# Altium PCB ble_lock_2020-10-10.PcbDoc (part 1 of 5)
Units mm, origin at the board's own origin, x right, y up, seen from the top; angles counter-clockwise.
Board outline 58 x 27 mm, 2 copper layers (Top Layer, Bottom Layer); 590 components, 46 nets, 1844 pads, 2190 vias.
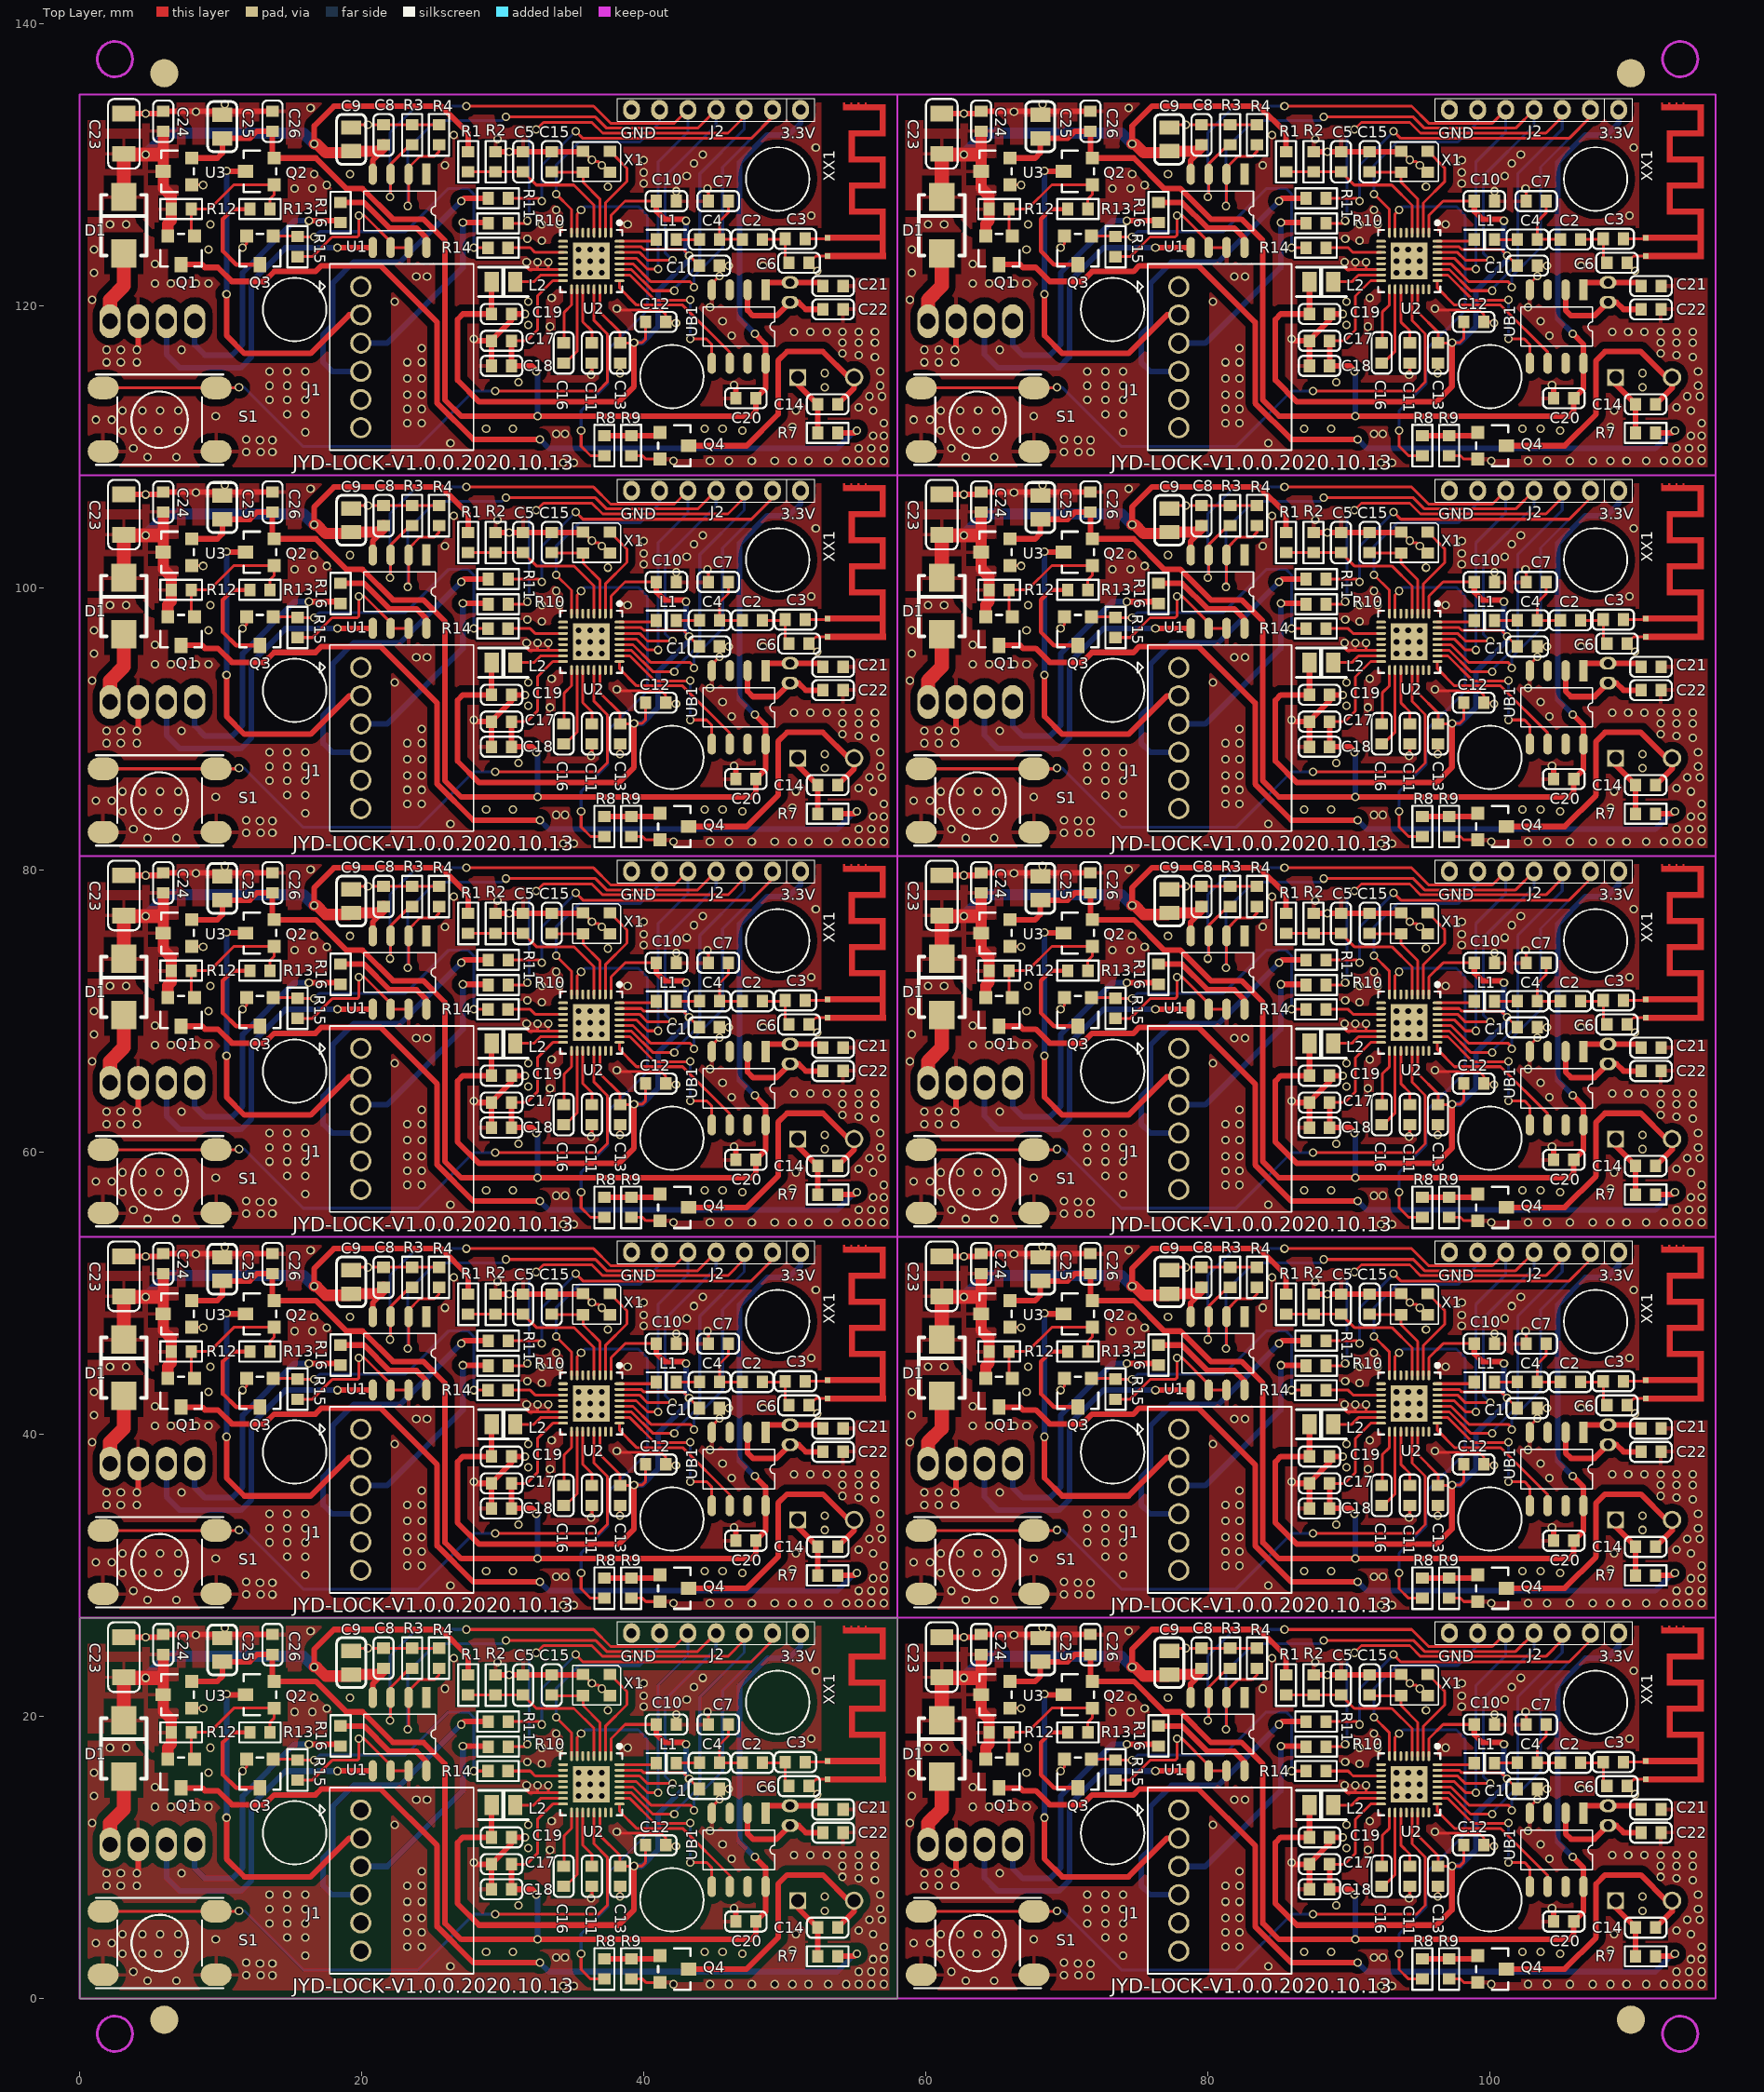
[diagram p0: Top Layer view]
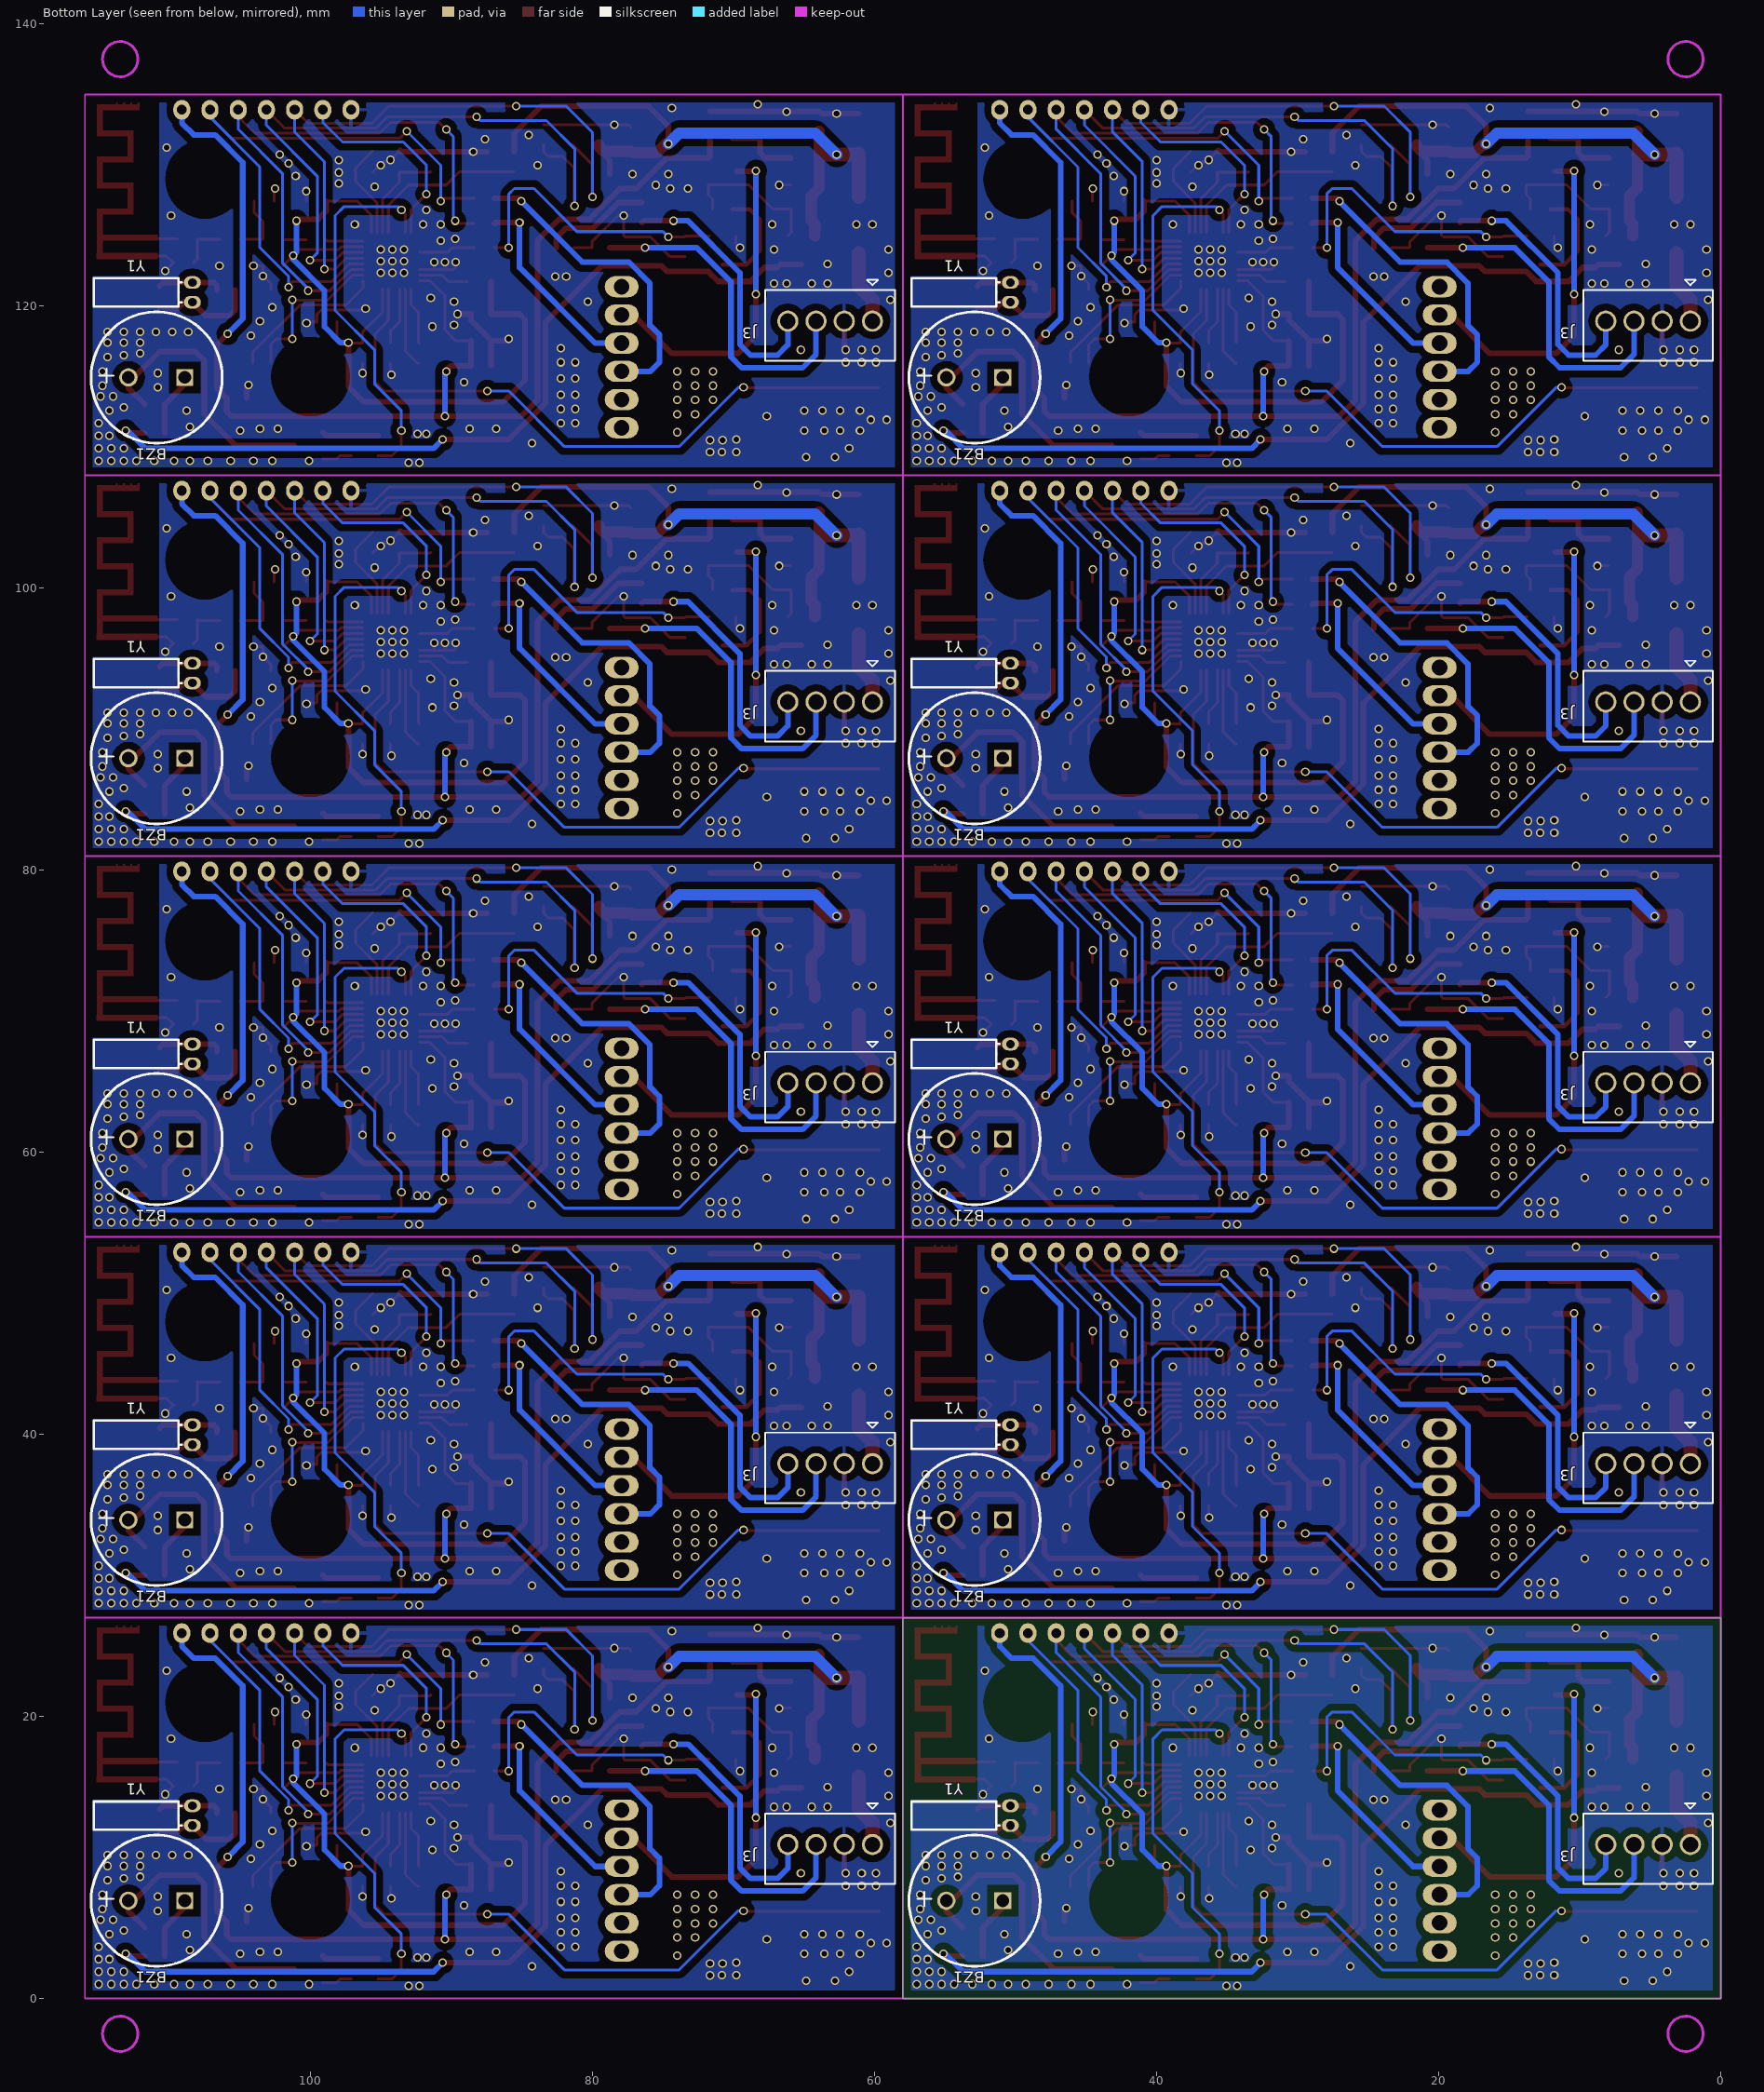
[diagram p1: Bottom Layer view, seen from below]

## Layer stack, top to bottom
Top Layer: signal copper 0.0356
Dielectric: dielectric 0.32, FR-4, Dk 4.8
Bottom Layer: signal copper 0.0356

## Board outline
0,0 58,0 58,27 0,27 0,0

## Design rules (kind name [scope] priority, off if disabled: settings)
Clearance [All] p1 off: gap=0.5
Clearance Clearance_1 [All] p2: gap=0.152
ComponentClearance [All] p1: gap=0 collisioncheckmode=3 verticalgap=0 showdistances=FALSE
HoleToHoleClearance [All] p1: gap=0 allowstackedmicrovias=TRUE
MinimumSolderMaskSliver [All] p1: minsoldermaskwidth=0
PolygonConnect PolygonConnect_1 [IsVia] p1: connectstyle=Direct reliefconductorwidth=0.254 reliefentries=4 polygonreliefangle="90 Angle"
PolygonConnect [All] p2: connectstyle=Relief reliefconductorwidth=0.254 reliefentries=4 polygonreliefangle="90 Angle"
RoutingVias [All] p1: holewidth=0.41 width=0.8 viastyle="Through Hole" minholewidth=0.3 minwidth=0.6 maxholewidth=0.711 maxwidth=1.27
ShortCircuit [All] p1: allowed=TRUE
SilkToSilkClearance [All] p1: silktosilkclearance=0
SilkscreenOverComponentPads [IsPad] p1: minsilkscreentomaskgap=0
SolderMaskExpansion [All] p1: expansion=0.102
Width [All] p1: maxlimit=2.032 minlimit=0.152 preferedwidth=0.254
22 further rules are at their usual default settings.

## Components (designator, comment, footprint, x,y, rotation, side; value= is the part's Value field where it differs from the comment)
BZ1 "BUZZER" BUZZER_D93_L40 52.92,6.934 r0 bottom
BZ1 "BUZZER" BUZZER_D93_L40 52.92,33.934 r0 bottom
BZ1 "BUZZER" BUZZER_D93_L40 52.92,60.934 r0 bottom
BZ1 "BUZZER" BUZZER_D93_L40 52.92,87.934 r0 bottom
BZ1 "BUZZER" BUZZER_D93_L40 52.92,114.934 r0 bottom
BZ1 "BUZZER" BUZZER_D93_L40 110.92,114.934 r0 bottom
BZ1 "BUZZER" BUZZER_D93_L40 110.92,87.934 r0 bottom
BZ1 "BUZZER" BUZZER_D93_L40 110.92,60.934 r0 bottom
BZ1 "BUZZER" BUZZER_D93_L40 110.92,33.934 r0 bottom
BZ1 "BUZZER" BUZZER_D93_L40 110.92,6.934 r0 bottom
C1 "1uF/6.3V" 0603C 44.655,14.859 r180 top
C1 "1uF/6.3V" 0603C 44.655,41.859 r180 top
C1 "1uF/6.3V" 0603C 44.655,68.859 r180 top
C1 "1uF/6.3V" 0603C 44.655,95.859 r180 top
C1 "1uF/6.3V" 0603C 44.655,122.859 r180 top
C1 "1uF/6.3V" 0603C 102.655,122.859 r180 top
C1 "1uF/6.3V" 0603C 102.655,95.859 r180 top
C1 "1uF/6.3V" 0603C 102.655,68.859 r180 top
C1 "1uF/6.3V" 0603C 102.655,41.859 r180 top
C1 "1uF/6.3V" 0603C 102.655,14.859 r180 top
C2 "0R" 0603C 47.713,16.713 r180 top
C2 "0R" 0603C 47.713,43.713 r180 top
C2 "0R" 0603C 47.713,70.713 r180 top
C2 "0R" 0603C 47.713,97.713 r180 top
C2 "0R" 0603C 47.713,124.713 r180 top
C2 "0R" 0603C 105.713,124.713 r180 top
C2 "0R" 0603C 105.713,97.713 r180 top
C2 "0R" 0603C 105.713,70.713 r180 top
C2 "0R" 0603C 105.713,43.713 r180 top
C2 "0R" 0603C 105.713,16.713 r180 top
C3 "0R" 0603C 50.751,16.764 r180 top
C3 "0R" 0603C 50.751,43.764 r180 top
C3 "0R" 0603C 50.751,70.764 r180 top
C3 "0R" 0603C 50.751,97.764 r180 top
C3 "0R" 0603C 50.751,124.764 r180 top
C3 "0R" 0603C 108.751,124.764 r180 top
C3 "0R" 0603C 108.751,97.764 r180 top
C3 "0R" 0603C 108.751,70.764 r180 top
C3 "0R" 0603C 108.751,43.764 r180 top
C3 "0R" 0603C 108.751,16.764 r180 top
C4 "1.5pF" 0603C 44.665,16.713 r0 top
C4 "1.5pF" 0603C 44.665,43.713 r0 top
C4 "1.5pF" 0603C 44.665,70.713 r0 top
C4 "1.5pF" 0603C 44.665,97.713 r0 top
C4 "1.5pF" 0603C 44.665,124.713 r0 top
C4 "1.5pF" 0603C 102.665,124.713 r0 top
C4 "1.5pF" 0603C 102.665,97.713 r0 top
C4 "1.5pF" 0603C 102.665,70.713 r0 top
C4 "1.5pF" 0603C 102.665,43.713 r0 top
C4 "1.5pF" 0603C 102.665,16.713 r0 top
C5 "1nF" 0603C 31.447,22.225 r270 top
C5 "1nF" 0603C 31.447,49.225 r270 top
C5 "1nF" 0603C 31.447,76.225 r270 top
C5 "1nF" 0603C 31.447,103.225 r270 top
C5 "1nF" 0603C 31.447,130.225 r270 top
C5 "1nF" 0603C 89.447,130.225 r270 top
C5 "1nF" 0603C 89.447,103.225 r270 top
C5 "1nF" 0603C 89.447,76.225 r270 top
C5 "1nF" 0603C 89.447,49.225 r270 top
C5 "1nF" 0603C 89.447,22.225 r270 top
C6 "NC" 0603C 51.015,15.062 r0 top
C6 "NC" 0603C 51.015,42.062 r0 top
C6 "NC" 0603C 51.015,69.062 r0 top
C6 "NC" 0603C 51.015,96.062 r0 top
C6 "NC" 0603C 51.015,123.062 r0 top
C6 "NC" 0603C 109.015,123.062 r0 top
C6 "NC" 0603C 109.015,96.062 r0 top
C6 "NC" 0603C 109.015,69.062 r0 top
C6 "NC" 0603C 109.015,42.062 r0 top
C6 "NC" 0603C 109.015,15.062 r0 top
C7 "1pF" 0603C 45.29,19.431 r0 top
C7 "1pF" 0603C 45.29,46.431 r0 top
C7 "1pF" 0603C 45.29,73.431 r0 top
C7 "1pF" 0603C 45.29,100.431 r0 top
C7 "1pF" 0603C 45.29,127.431 r0 top
C7 "1pF" 0603C 103.29,127.431 r0 top
C7 "1pF" 0603C 103.29,100.431 r0 top
C7 "1pF" 0603C 103.29,73.431 r0 top
C7 "1pF" 0603C 103.29,46.431 r0 top
C7 "1pF" 0603C 103.29,19.431 r0 top
C8 "0.1uF" 0603C 21.551,24.13 r90 top
C8 "0.1uF" 0603C 21.551,51.13 r90 top
C8 "0.1uF" 0603C 21.551,78.13 r90 top
C8 "0.1uF" 0603C 21.551,105.13 r90 top
C8 "0.1uF" 0603C 21.551,132.13 r90 top
C8 "0.1uF" 0603C 79.551,132.13 r90 top
C8 "0.1uF" 0603C 79.551,105.13 r90 top
C8 "0.1uF" 0603C 79.551,78.13 r90 top
C8 "0.1uF" 0603C 79.551,51.13 r90 top
C8 "0.1uF" 0603C 79.551,24.13 r90 top
C9 "22uF" 0805C 19.265,23.809 r90 top
C9 "22uF" 0805C 19.265,50.809 r90 top
C9 "22uF" 0805C 19.265,77.809 r90 top
C9 "22uF" 0805C 19.265,104.809 r90 top
C9 "22uF" 0805C 19.265,131.809 r90 top
C9 "22uF" 0805C 77.265,131.809 r90 top
C9 "22uF" 0805C 77.265,104.809 r90 top
C9 "22uF" 0805C 77.265,77.809 r90 top
C9 "22uF" 0805C 77.265,50.809 r90 top
C9 "22uF" 0805C 77.265,23.809 r90 top
C10 "0.1uF" 0603C 41.607,19.431 r180 top
C10 "0.1uF" 0603C 41.607,46.431 r180 top
C10 "0.1uF" 0603C 41.607,73.431 r180 top
C10 "0.1uF" 0603C 41.607,100.431 r180 top
C10 "0.1uF" 0603C 41.607,127.431 r180 top
C10 "0.1uF" 0603C 99.607,127.431 r180 top
C10 "0.1uF" 0603C 99.607,100.431 r180 top
C10 "0.1uF" 0603C 99.607,73.431 r180 top
C10 "0.1uF" 0603C 99.607,46.431 r180 top
C10 "0.1uF" 0603C 99.607,19.431 r180 top
C11 "0.1uF" 0603C 36.325,8.671 r270 top
C11 "0.1uF" 0603C 36.325,35.671 r270 top
C11 "0.1uF" 0603C 36.325,62.671 r270 top
C11 "0.1uF" 0603C 36.325,89.671 r270 top
C11 "0.1uF" 0603C 36.325,116.671 r270 top
C11 "0.1uF" 0603C 94.325,116.671 r270 top
C11 "0.1uF" 0603C 94.325,89.671 r270 top
C11 "0.1uF" 0603C 94.325,62.671 r270 top
C11 "0.1uF" 0603C 94.325,35.671 r270 top
C11 "0.1uF" 0603C 94.325,8.671 r270 top
C12 "1uF" 0603C 40.855,10.871 r180 top
C12 "1uF" 0603C 40.855,37.871 r180 top
C12 "1uF" 0603C 40.855,64.871 r180 top
C12 "1uF" 0603C 40.855,91.871 r180 top
C12 "1uF" 0603C 40.855,118.871 r180 top
C12 "1uF" 0603C 98.855,118.871 r180 top
C12 "1uF" 0603C 98.855,91.871 r180 top
C12 "1uF" 0603C 98.855,64.871 r180 top
C12 "1uF" 0603C 98.855,37.871 r180 top
C12 "1uF" 0603C 98.855,10.871 r180 top
C13 "0.1uF" 0603C 38.324,8.671 r90 top
C13 "0.1uF" 0603C 38.324,35.671 r90 top
C13 "0.1uF" 0603C 38.324,62.671 r90 top
C13 "0.1uF" 0603C 38.324,89.671 r90 top
C13 "0.1uF" 0603C 38.324,116.671 r90 top
C13 "0.1uF" 0603C 96.324,116.671 r90 top
C13 "0.1uF" 0603C 96.324,89.671 r90 top
C13 "0.1uF" 0603C 96.324,62.671 r90 top
C13 "0.1uF" 0603C 96.324,35.671 r90 top
C13 "0.1uF" 0603C 96.324,8.671 r90 top
C14 "10uF/10V" 0603C 53.047,5.029 r180 top
C14 "10uF/10V" 0603C 53.047,32.029 r180 top
C14 "10uF/10V" 0603C 53.047,59.029 r180 top
C14 "10uF/10V" 0603C 53.047,86.029 r180 top
C14 "10uF/10V" 0603C 53.047,113.029 r180 top
C14 "10uF/10V" 0603C 111.047,113.029 r180 top
C14 "10uF/10V" 0603C 111.047,86.029 r180 top
C14 "10uF/10V" 0603C 111.047,59.029 r180 top
C14 "10uF/10V" 0603C 111.047,32.029 r180 top
C14 "10uF/10V" 0603C 111.047,5.029 r180 top
C15 "2.7pF" 0603C 33.479,22.225 r270 top
C15 "2.7pF" 0603C 33.479,49.225 r270 top
C15 "2.7pF" 0603C 33.479,76.225 r270 top
C15 "2.7pF" 0603C 33.479,103.225 r270 top
C15 "2.7pF" 0603C 33.479,130.225 r270 top
C15 "2.7pF" 0603C 91.479,130.225 r270 top
C15 "2.7pF" 0603C 91.479,103.225 r270 top
C15 "2.7pF" 0603C 91.479,76.225 r270 top
C15 "2.7pF" 0603C 91.479,49.225 r270 top
C15 "2.7pF" 0603C 91.479,22.225 r270 top
C16 "0.1uF" 0603C 34.327,8.671 r270 top
C16 "0.1uF" 0603C 34.327,35.671 r270 top
C16 "0.1uF" 0603C 34.327,62.671 r270 top
C16 "0.1uF" 0603C 34.327,89.671 r270 top
C16 "0.1uF" 0603C 34.327,116.671 r270 top
C16 "0.1uF" 0603C 92.327,116.671 r270 top
C16 "0.1uF" 0603C 92.327,89.671 r270 top
C16 "0.1uF" 0603C 92.327,62.671 r270 top
C16 "0.1uF" 0603C 92.327,35.671 r270 top
C16 "0.1uF" 0603C 92.327,8.671 r270 top
C17 "0.1uF" 0603C 29.923,9.525 r180 top
C17 "0.1uF" 0603C 29.923,36.525 r180 top
C17 "0.1uF" 0603C 29.923,63.525 r180 top
C17 "0.1uF" 0603C 29.923,90.525 r180 top
C17 "0.1uF" 0603C 29.923,117.525 r180 top
C17 "0.1uF" 0603C 87.923,117.525 r180 top
C17 "0.1uF" 0603C 87.923,90.525 r180 top
C17 "0.1uF" 0603C 87.923,63.525 r180 top
C17 "0.1uF" 0603C 87.923,36.525 r180 top
C17 "0.1uF" 0603C 87.923,9.525 r180 top
C18 "10uF/6.3V" 0603C 29.923,7.747 r180 top
C18 "10uF/6.3V" 0603C 29.923,34.747 r180 top
C18 "10uF/6.3V" 0603C 29.923,61.747 r180 top
C18 "10uF/6.3V" 0603C 29.923,88.747 r180 top
C18 "10uF/6.3V" 0603C 29.923,115.747 r180 top
C18 "10uF/6.3V" 0603C 87.923,115.747 r180 top
C18 "10uF/6.3V" 0603C 87.923,88.747 r180 top
C18 "10uF/6.3V" 0603C 87.923,61.747 r180 top
C18 "10uF/6.3V" 0603C 87.923,34.747 r180 top
C18 "10uF/6.3V" 0603C 87.923,7.747 r180 top
C19 "10uF/6.3V" 0603C 29.923,11.43 r180 top
C19 "10uF/6.3V" 0603C 29.923,38.43 r180 top
C19 "10uF/6.3V" 0603C 29.923,65.43 r180 top
C19 "10uF/6.3V" 0603C 29.923,92.43 r180 top
C19 "10uF/6.3V" 0603C 29.923,119.43 r180 top
C19 "10uF/6.3V" 0603C 87.923,119.43 r180 top
C19 "10uF/6.3V" 0603C 87.923,92.43 r180 top
C19 "10uF/6.3V" 0603C 87.923,65.43 r180 top
C19 "10uF/6.3V" 0603C 87.923,38.43 r180 top
C19 "10uF/6.3V" 0603C 87.923,11.43 r180 top
C20 "0.1uF" 0603C 47.244,5.461 r180 top
C20 "0.1uF" 0603C 47.244,32.461 r180 top
C20 "0.1uF" 0603C 47.244,59.461 r180 top
C20 "0.1uF" 0603C 47.244,86.461 r180 top
C20 "0.1uF" 0603C 47.244,113.461 r180 top
C20 "0.1uF" 0603C 105.244,113.461 r180 top
C20 "0.1uF" 0603C 105.244,86.461 r180 top
C20 "0.1uF" 0603C 105.244,59.461 r180 top
C20 "0.1uF" 0603C 105.244,32.461 r180 top
C20 "0.1uF" 0603C 105.244,5.461 r180 top
C21 "22pF" 0603C 53.428,13.411 r0 top
C21 "22pF" 0603C 53.428,40.411 r0 top
C21 "22pF" 0603C 53.428,67.411 r0 top
C21 "22pF" 0603C 53.428,94.411 r0 top
C21 "22pF" 0603C 53.428,121.411 r0 top
C21 "22pF" 0603C 111.428,121.411 r0 top
C21 "22pF" 0603C 111.428,94.411 r0 top
C21 "22pF" 0603C 111.428,67.411 r0 top
C21 "22pF" 0603C 111.428,40.411 r0 top
C21 "22pF" 0603C 111.428,13.411 r0 top
C22 "22pF" 0603C 53.428,11.76 r180 top
C22 "22pF" 0603C 53.428,38.76 r180 top
C22 "22pF" 0603C 53.428,65.76 r180 top
C22 "22pF" 0603C 53.428,92.76 r180 top
C22 "22pF" 0603C 53.428,119.76 r180 top
C22 "22pF" 0603C 111.428,119.76 r180 top
C22 "22pF" 0603C 111.428,92.76 r180 top
C22 "22pF" 0603C 111.428,65.76 r180 top
C22 "22pF" 0603C 111.428,38.76 r180 top
C22 "22pF" 0603C 111.428,11.76 r180 top
C23 "10uF/16V" LC-1206_C 3.136,24.206 r90 top
C23 "10uF/16V" LC-1206_C 3.136,51.206 r90 top
C23 "10uF/16V" LC-1206_C 3.136,78.206 r90 top
C23 "10uF/16V" LC-1206_C 3.136,105.206 r90 top
C23 "10uF/16V" LC-1206_C 3.136,132.206 r90 top
C23 "10uF/16V" LC-1206_C 61.136,132.206 r90 top
C23 "10uF/16V" LC-1206_C 61.136,105.206 r90 top
C23 "10uF/16V" LC-1206_C 61.136,78.206 r90 top
C23 "10uF/16V" LC-1206_C 61.136,51.206 r90 top
C23 "10uF/16V" LC-1206_C 61.136,24.206 r90 top
C24 "100nF" 0603C 5.93,25.095 r90 top
C24 "100nF" 0603C 5.93,52.095 r90 top
C24 "100nF" 0603C 5.93,79.095 r90 top
C24 "100nF" 0603C 5.93,106.095 r90 top
C24 "100nF" 0603C 5.93,133.095 r90 top
C24 "100nF" 0603C 63.93,133.095 r90 top
C24 "100nF" 0603C 63.93,106.095 r90 top
C24 "100nF" 0603C 63.93,79.095 r90 top
C24 "100nF" 0603C 63.93,52.095 r90 top
C24 "100nF" 0603C 63.93,25.095 r90 top
C25 "10uF/10V" LC-0805_C 10.121,24.714 r90 top
C25 "10uF/10V" LC-0805_C 10.121,51.714 r90 top
C25 "10uF/10V" LC-0805_C 10.121,78.714 r90 top
C25 "10uF/10V" LC-0805_C 10.121,105.714 r90 top
C25 "10uF/10V" LC-0805_C 10.121,132.714 r90 top
C25 "10uF/10V" LC-0805_C 68.121,132.714 r90 top
C25 "10uF/10V" LC-0805_C 68.121,105.714 r90 top
C25 "10uF/10V" LC-0805_C 68.121,78.714 r90 top
C25 "10uF/10V" LC-0805_C 68.121,51.714 r90 top
C25 "10uF/10V" LC-0805_C 68.121,24.714 r90 top
C26 "100nF" 0603C 13.677,25.095 r90 top
C26 "100nF" 0603C 13.677,52.095 r90 top
C26 "100nF" 0603C 13.677,79.095 r90 top
C26 "100nF" 0603C 13.677,106.095 r90 top
C26 "100nF" 0603C 13.677,133.095 r90 top
C26 "100nF" 0603C 71.677,133.095 r90 top
C26 "100nF" 0603C 71.677,106.095 r90 top
C26 "100nF" 0603C 71.677,79.095 r90 top
C26 "100nF" 0603C 71.677,52.095 r90 top
C26 "100nF" 0603C 71.677,25.095 r90 top
D1 "SS14" LC-SMAF_S1 3.136,17.729 r270 top
D1 "SS14" LC-SMAF_S1 3.136,44.729 r270 top
D1 "SS14" LC-SMAF_S1 3.136,71.729 r270 top
D1 "SS14" LC-SMAF_S1 3.136,98.729 r270 top
D1 "SS14" LC-SMAF_S1 3.136,125.729 r270 top
D1 "SS14" LC-SMAF_S1 61.136,125.729 r270 top
D1 "SS14" LC-SMAF_S1 61.136,98.729 r270 top
D1 "SS14" LC-SMAF_S1 61.136,71.729 r270 top
D1 "SS14" LC-SMAF_S1 61.136,44.729 r270 top
D1 "SS14" LC-SMAF_S1 61.136,17.729 r270 top
J1 "CON6" JC20-6P-H 19.939,7.366 r90 top
J1 "CON6" JC20-6P-H 19.939,34.366 r90 top
J1 "CON6" JC20-6P-H 19.939,61.366 r90 top
J1 "CON6" JC20-6P-H 19.939,88.366 r90 top
J1 "CON6" JC20-6P-H 19.939,115.366 r90 top
J1 "CON6" JC20-6P-H 77.939,115.366 r90 top
J1 "CON6" JC20-6P-H 77.939,88.366 r90 top
J1 "CON6" JC20-6P-H 77.939,61.366 r90 top
J1 "CON6" JC20-6P-H 77.939,34.366 r90 top
J1 "CON6" JC20-6P-H 77.939,7.366 r90 top
J2 "7P" 7P-2.0MM 51.132,25.908 r180 top
J2 "7P" 7P-2.0MM 51.132,52.908 r180 top
J2 "7P" 7P-2.0MM 51.132,79.908 r180 top
J2 "7P" 7P-2.0MM 51.132,106.908 r180 top
J2 "7P" 7P-2.0MM 51.132,133.908 r180 top
J2 "7P" 7P-2.0MM 109.132,133.908 r180 top
J2 "7P" 7P-2.0MM 109.132,106.908 r180 top
J2 "7P" 7P-2.0MM 109.132,79.908 r180 top
J2 "7P" 7P-2.0MM 109.132,52.908 r180 top
J2 "7P" 7P-2.0MM 109.132,25.908 r180 top
J3 "后板端口" JC20-4P-V 2.159,10.922 r180 bottom
J3 "后板端口" JC20-4P-V 2.159,37.922 r180 bottom
J3 "后板端口" JC20-4P-V 2.159,64.922 r180 bottom
J3 "后板端口" JC20-4P-V 2.159,91.922 r180 bottom
J3 "后板端口" JC20-4P-V 2.159,118.922 r180 bottom
J3 "后板端口" JC20-4P-V 60.159,118.922 r180 bottom
J3 "后板端口" JC20-4P-V 60.159,91.922 r180 bottom
J3 "后板端口" JC20-4P-V 60.159,64.922 r180 bottom
J3 "后板端口" JC20-4P-V 60.159,37.922 r180 bottom
J3 "后板端口" JC20-4P-V 60.159,10.922 r180 bottom
L1 "2nH" 0603L 41.607,16.702 r180 top
L1 "2nH" 0603L 41.607,43.702 r180 top
L1 "2nH" 0603L 41.607,70.702 r180 top
L1 "2nH" 0603L 41.607,97.702 r180 top
L1 "2nH" 0603L 41.607,124.702 r180 top
L1 "2nH" 0603L 99.607,124.702 r180 top
L1 "2nH" 0603L 99.607,97.702 r180 top
L1 "2nH" 0603L 99.607,70.702 r180 top
L1 "2nH" 0603L 99.607,43.702 r180 top
L1 "2nH" 0603L 99.607,16.702 r180 top
L2 "4.7uH" 0805L 30.05,13.716 r0 top
L2 "4.7uH" 0805L 30.05,40.716 r0 top
L2 "4.7uH" 0805L 30.05,67.716 r0 top
L2 "4.7uH" 0805L 30.05,94.716 r0 top
L2 "4.7uH" 0805L 30.05,121.716 r0 top
L2 "4.7uH" 0805L 88.05,121.716 r0 top
L2 "4.7uH" 0805L 88.05,94.716 r0 top
L2 "4.7uH" 0805L 88.05,67.716 r0 top
L2 "4.7uH" 0805L 88.05,40.716 r0 top
L2 "4.7uH" 0805L 88.05,13.716 r0 top
Q1 "SI2301" "SOT-23 - GDS" 7.2,15.951 r180 top
Q1 "SI2301" "SOT-23 - GDS" 7.2,42.951 r180 top
Q1 "SI2301" "SOT-23 - GDS" 7.2,69.951 r180 top
Q1 "SI2301" "SOT-23 - GDS" 7.2,96.951 r180 top
Q1 "SI2301" "SOT-23 - GDS" 7.2,123.951 r180 top
Q1 "SI2301" "SOT-23 - GDS" 65.2,123.951 r180 top
Q1 "SI2301" "SOT-23 - GDS" 65.2,96.951 r180 top
Q1 "SI2301" "SOT-23 - GDS" 65.2,69.951 r180 top
Q1 "SI2301" "SOT-23 - GDS" 65.2,42.951 r180 top
Q1 "SI2301" "SOT-23 - GDS" 65.2,15.951 r180 top
Q2 "SI2301" "SOT-23 - GDS" 12.788,21.539 r90 top
Q2 "SI2301" "SOT-23 - GDS" 12.788,48.539 r90 top
Q2 "SI2301" "SOT-23 - GDS" 12.788,75.539 r90 top
Q2 "SI2301" "SOT-23 - GDS" 12.788,102.539 r90 top
Q2 "SI2301" "SOT-23 - GDS" 12.788,129.539 r90 top
Q2 "SI2301" "SOT-23 - GDS" 70.788,129.539 r90 top
Q2 "SI2301" "SOT-23 - GDS" 70.788,102.539 r90 top
Q2 "SI2301" "SOT-23 - GDS" 70.788,75.539 r90 top
Q2 "SI2301" "SOT-23 - GDS" 70.788,48.539 r90 top
Q2 "SI2301" "SOT-23 - GDS" 70.788,21.539 r90 top
Q3 "PMBT3904" "SOT-23 - BCE" 12.788,15.951 r180 top
Q3 "PMBT3904" "SOT-23 - BCE" 12.788,42.951 r180 top
Q3 "PMBT3904" "SOT-23 - BCE" 12.788,69.951 r180 top
Q3 "PMBT3904" "SOT-23 - BCE" 12.788,96.951 r180 top
Q3 "PMBT3904" "SOT-23 - BCE" 12.788,123.951 r180 top
Q3 "PMBT3904" "SOT-23 - BCE" 70.788,123.951 r180 top
Q3 "PMBT3904" "SOT-23 - BCE" 70.788,96.951 r180 top
Q3 "PMBT3904" "SOT-23 - BCE" 70.788,69.951 r180 top
Q3 "PMBT3904" "SOT-23 - BCE" 70.788,42.951 r180 top
Q3 "PMBT3904" "SOT-23 - BCE" 70.788,15.951 r180 top
Q4 "SS8050" SOT-23-3L 42.164,2.093 r270 top
Q4 "SS8050" SOT-23-3L 42.164,29.093 r270 top
Q4 "SS8050" SOT-23-3L 42.164,56.093 r270 top
Q4 "SS8050" SOT-23-3L 42.164,83.093 r270 top
Q4 "SS8050" SOT-23-3L 42.164,110.093 r270 top
Q4 "SS8050" SOT-23-3L 100.164,110.093 r270 top
Q4 "SS8050" SOT-23-3L 100.164,83.093 r270 top
Q4 "SS8050" SOT-23-3L 100.164,56.093 r270 top
Q4 "SS8050" SOT-23-3L 100.164,29.093 r270 top
Q4 "SS8050" SOT-23-3L 100.164,2.093 r270 top
R1 "510K%1" 0603R 27.552,22.225 r270 top